# Altium PCB LPC4357_SDRAM_v0.2.PcbDoc (part 2 of 3) (continued)
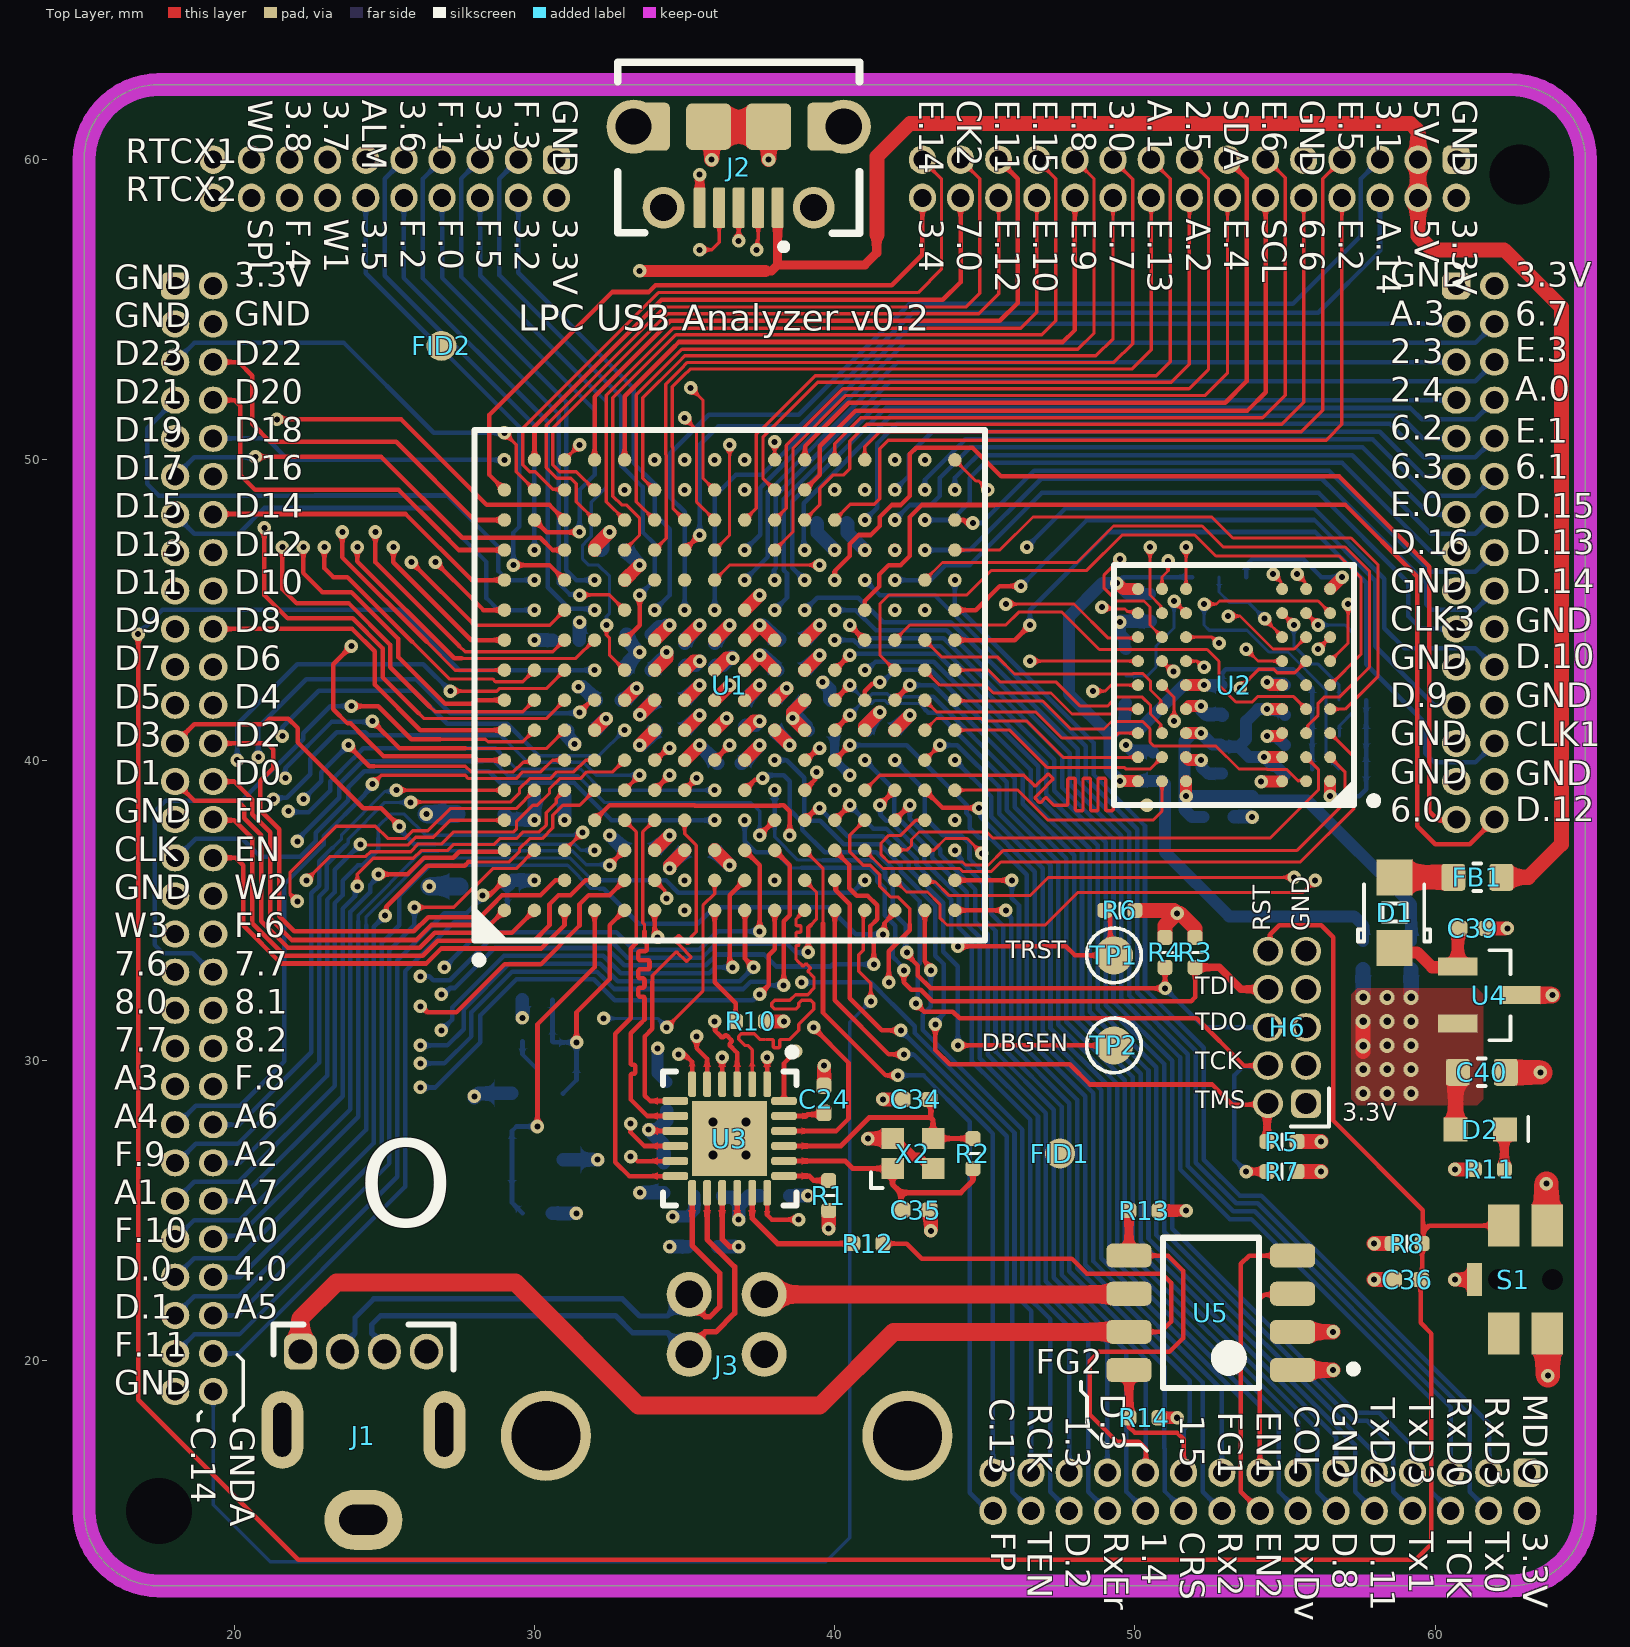
[diagram p0: Top Layer view]
## Nets (pads, with @x,y where several pads share a name; then routed paths per layer and width w, separated by ;. In a path a pad name is that pad's centre, name@x,y a point inside that pad or via, vN(x,y) a via of type N, cw(c..) or ccw(c..) an arc to the next point about the centre after c; other vN are vias at no path point) (continued)
ENET_COL: H5.5 U1.L11 | length 41
  Bottom Layer w0.152: v2(39,45) 39.411,45.411 40.789,45.411 41.611,44.589 43.865,44.589 48.095,40.358 48.095,39.307 49.808,37.593 49.808,32.162 51.762,30.209 51.762,29.991 51.761,29.99 51.761,29.269 51.761,26.484 53.267,24.978 53.984,24.978 60.51,18.451 H5.5@60.51,16.27
ENET_CRS: H5.20 U1.T1 | length 24.2
  Top Layer w0.152: U1.T1@44,35 v1(45.7,35)
  Bottom Layer w0.15: 50.985,19.804 50.985,18.446 50.973,18.434 50.973,17.076 50.985,17.064 50.985,15.66 51.62,15.025 H5.20@51.62,15
  Bottom Layer w0.152: v1(45.7,35) 45.7,34.919 45.876,34.743 45.876,30.515 47.816,28.575 47.816,22.974 50.985,19.804
ENET_MDIO: H5.13 U1.M8 | length 34.6
  Top Layer w0.152: U1.M8@40,42 v1(40.5,42.5)
  Bottom Layer w0.11: v1(40.5,42.5) 40.89,42.11 41.147,42.11 41.247,42.21 41.753,42.21 41.853,42.11 43.19,42.11
  Bottom Layer w0.15: 49.664,23.74 55.43,17.974 H5.13@55.43,16.27
  Bottom Layer w0.152: 43.19,42.11 43.278,42.11 45.997,39.391 45.997,38.438 47.71,36.724 47.71,31.293 49.664,29.34 49.664,23.74
ENET_RX_CLK: H5.27 U1.D4 | length 33.8
  Top Layer w0.152: U1.D4@32,38 32.5,38.5 35.329,38.5 35.341,38.489 38.17,38.489 38.178,38.496 38.304,38.496 38.5,38.3 v1@38.5,37.7
  Int2 (PWR) w0.152: v1(38.5,37.5) 39.2,36.8 39.2,34.4 38.6,33.8 38.6,32.9 v1(38.9,32.6)
  Bottom Layer w0.152: v1(38.9,32.6) 41.194,32.6 41.906,31.889 41.917,31.889 42.663,31.143 42.663,30.915 45.987,27.59 45.987,22.206 46.54,21.654 H5.27@46.54,16.27
ENET_RX_DV: H5.14 U1.M7 | length 35.6
  Top Layer w0.152: U1.M7@40,41 v1(40.5,41.5)
  Bottom Layer w0.11: v1(40.5,41.5) 40.89,41.89 41.238,41.89 41.338,41.99 41.661,41.99 41.761,41.89 42.81,41.89 43,41.7
  Bottom Layer w0.15: 49.402,23.631 54.795,18.238 54.795,15.635 H5.14@55.43,15
  Bottom Layer w0.152: 43,41.7 43.121,41.579 43.417,41.579 45.735,39.261 45.735,38.329 47.448,36.616 47.448,31.185 49.402,29.231 49.402,23.631
ENET_RX_ER: H5.24 U1.N6 | length 28.3
  Bottom Layer w0.15: 48.445,20.855 48.445,15.635 H5.24@49.08,15
  Bottom Layer w0.152: v2(41,40) 41.984,39.016 41.984,38.22 ; 41.984,38.219 41.984,38.194 43.247,36.931 43.247,36.753 44.4,35.6 44.4,34.529 44.83,34.1 44.83,30.079 46.77,28.139 46.77,22.53 48.445,20.855
ENET_RXD0: H5.3 U1.T12 | length 37.5
  Bottom Layer w0.152: v2(44,46) 44,45.195 48.619,40.575 48.619,39.524 50.333,37.81 50.333,32.38 52.286,30.426 52.286,29.774 ; H5.3@61.78,16.27 61.8,16.29 61.8,17.9 54.2,25.5 53.484,25.5 52.285,26.698 52.285,29.773 ; 52.285,29.773 52.286,29.774
ENET_RXD1: H5.30 U1.L3 | length 25.4
  Top Layer w0.11: U1.L3@39,37 39.61,36.39 39.61,34.565
  Top Layer w0.152: 39.61,34.565 39.61,31.59 41.7,29.5 v1(42.1,29.5)
  Bottom Layer w0.15: 42.959,29.5 44.5,27.959 44.5,15.6 45.1,15 H5.30@45.27,15
  Bottom Layer w0.152: v1(42.1,29.5) 42.959,29.5
ENET_RXD2: H5.18 U1.M6 | length 32.7
  Top Layer w0.152: U1.M6@40,40 v1(40.5,40.5)
  Bottom Layer w0.15: 52.255,16.727 52.255,15.635 H5.18@52.89,15
  Bottom Layer w0.152: v1(40.5,40.5) 42.4,40.5 44.389,38.511 44.389,38.23 44.5,38.118 44.5,37.729 44.818,37.411 45.17,37.411 46.4,36.182 46.4,30.751 48.34,28.811 48.34,23.191 52.255,19.276 52.255,16.727
ENET_RXD3: H5.11 U1.N8 | length 35.1
  Top Layer w0.152: U1.N8@41,42 41,42.3 41.243,42.543 41.443,42.543 v1(41.5,42.6)
  Bottom Layer w0.15: 50.188,23.957 56.7,17.445 H5.11@56.7,16.27
  Bottom Layer w0.152: v1(41.5,42.6) 41.6,42.6 42.015,43.015 43.193,43.015 46.521,39.687 46.521,38.655 48.235,36.941 48.235,31.511 50.188,29.557 50.188,23.957
ENET_TX_CLK: H5.6 U1.M11 | length 40.7
  Bottom Layer w0.15: 51.5,30.1 51.5,26.376 53.159,24.717 53.876,24.717 59.875,18.717 59.875,15.635 H5.6@60.51,15
  Bottom Layer w0.152: v2(40,45) 40.7,45 41.373,44.327 42.209,44.327 43.736,44.327 47.833,40.23 47.833,39.198 49.546,37.485 49.546,32.054 51.5,30.1
ENET_TX_EN: H5.28 U1.M2 | length 24.1
  Top Layer w0.152: U1.M2@40,36 40.034,35.966 40.034,35.666 40.5,35.2 40.5,32.066 41.566,31 v1(42.2,31)
  Bottom Layer w0.15: 45.725,24.204 45.726,24.203 45.726,22.098 45.905,21.919 45.905,15.635 H5.28@46.54,15
  Bottom Layer w0.152: v1(42.2,31) 45.725,27.475 45.725,24.204
ENET_TXD0: H5.4 U1.N12 | length 41.1
  Bottom Layer w0.15: 52.023,27.348 52.024,27.347 52.024,26.59 53.376,25.239 54.092,25.239 61.145,18.186 61.145,15.635 H5.4@61.78,15
  Bottom Layer w0.152: v2(41,46) 41.5,45.5 43.324,45.5 48.357,40.467 48.357,39.415 50.071,37.702 50.071,32.271 52.024,30.317 52.024,29.883 52.023,29.882 52.023,27.348
ENET_TXD1: H5.8 U1.M10 | length 39.2
  Bottom Layer w0.15: 50.975,27.725 50.975,24.292 57.268,18 57.738,18 58.605,17.133 58.605,15.635 H5.8@59.24,15
  Bottom Layer w0.152: v2(40,44) 40.629,44 40.827,43.802 43.519,43.802 47.308,40.013 47.308,38.981 49.022,37.267 49.022,31.837 50.975,29.883 50.975,27.725
ENET_TXD2: H5.7 U1.N10 | length 38.7
  Top Layer w0.152: v1(40.5,44.5) U1.N10@41,44
  Bottom Layer w0.15: H5.7@59.24,16.27 59.24,16.911
  Bottom Layer w0.152: v1(40.5,44.5) 40.936,44.064 43.628,44.064 47.571,40.121 47.571,39.089 49.284,37.376 49.284,31.945 51.238,29.991 51.238,24.399 57.376,18.261 58.139,18.261 59.24,17.16 59.24,16.911
ENET_TXD3: H5.9 U1.M9 | length 36.9
  Top Layer w0.152: U1.M9@40,43 v1(40.5,43.5)
  Bottom Layer w0.15: 50.713,24.187 57.97,16.93 H5.9@57.97,16.27
  Bottom Layer w0.152: v1(40.5,43.5) 40.54,43.54 43.41,43.54 47.046,39.904 47.046,38.872 48.759,37.159 48.759,31.728 50.713,29.774 50.713,24.187
GND: C1.2 C2.2 C3.2 C4.2 C5.2 C6.2 C7.2 C8.2 C9.2 C10.2 C11.2 C12.2 C13.2 C14.2 C15.2 C16.2 C17.2 C18.2 C19.2 C20.2 C21.2 C22.2 C23.2 C24.2 C25.2 C26.2 C27.2 C28.2 C29.2 C30.2 C31.2 C32.2 C33.2 C34.2 C35.2 C36.2 C37.2 C38.2 C39.2 C40.2 FB3.1 H1.1 H1.3 H1.4 H1.29 H1.33 H1.59 H2.1 H3.1 H3.9 H4.1 H4.17 H4.20 H4.21 H4.24 H4.25 H4.27 H4.28 H5.1 H6.3 H6.5 H6.9 J1.4 J1.MH J1.MH_1 J1.MH_2 J2.5 J2.MH J2.MH_1 J2.MH_2 J2.MH_3 J2.MH_4 J2.MH_5 J2.MH_6 J2.MH_7 J3.4 J3.SH J3.SH_1 R1.1 R7.1 R10.1 R11.1 R15.3 R16.3 R17.3 R18.3 R19.3 S1.3 S1.4 S1.5 U1.C4 U1.D13 U1.G1 U1.G6 U1.G7 U1.G8 U1.G9 U1.H3 U1.H7 U1.H8 U1.H9 U1.J8 U1.J9 U1.J10 U1.J11 U1.K8 U1.K9 U1.K10 U1.M13 U1.P7 U1.P13 U2.A1 U2.A3 U2.B7 U2.C3 U2.D7 U2.E3 U2.J1 U3.18 U3.25 U4.3 U5.1 X1.2 X1.4 X2.2 X2.4 | length 77.7
  Top Layer w0.15: U3.18@37.75,25.59 37.75,24.85 37.9,24.7 v1(38.8,24.7)
  Top Layer w0.3: J2.5@35.5,58.4 v1(35.5,59.5) ; X2.4@41.925,27.4 42.125,27.2 42.2,27.2 42.34,27.06 42.358,27.06 42.628,26.79 42.8,26.79 42.99,26.6 43.075,26.6 X2.2@43.275,26.4
  Top Layer w0.4: U2.B7@51.7,40.1 51.8,40 v2(52.2,40) ; U2.D7@51.7,41.7 51.8,41.8 v1(52.2,41.8) ; v1(54.2,39.288) 54.209,39.298 54.898,39.298 U2.A3@54.9,39.3 ; v1(54.4,40.8) 54.409,40.809 54.809,40.809 U2.C3@54.9,40.9 ; v1(54.4,42.6) 54.413,42.6 54.513,42.5 U2.E3@54.9,42.5 ; v1(56.5,38.8) U2.A1@56.5,39.3 ; U2.J1@56.5,45.7 v3(56.901,46.1)
  Top Layer w0.45: U1.D13@32,47 32,47.1 v1(32.5,47.6) ; U1.G6@35,40 v1(35.5,40.5) ; U1.G7@35,41 v1(35.5,41.5) ; U1.G8@35,42 v1(35.5,42.5) ; U1.G9@35,43 35.3,43.3 v1(35.5,43.3) ; U1.H3@36,37 U1.H3@36.011,37 ; U1.H3@36,37.011 U1.H3@36.011,37 ; U1.H7@36,41 v1(36.4,41.4) ; U1.H8@36,42 v1(36.5,42.5) ; U1.H9@36,43 36.4,43.4 v1(36.6,43.4) ; v1@36.5,36.511 U1.H3@36.011,37 ; U1.J8@37,42 v1(37.5,42.5) ; U1.J9@37,43 v1(37.5,43.5) U1.K9@38,43 ; U1.J10@37,44 v1(37.5,44.5) U1.K10@38,44 ; U1.J11@37,45 v1(37.5,45.5) ; R10.1@37.7,31.3 v1(38.303,31.3) ; U1.K8@38,42 v1(38.4,42.4) ; C24.2@39.643,29.2 v1(39.643,29.829) ; v1(39.8,24.397) R1.1@39.8,25 ; v1(41.103,27.4) X2.4@41.925,27.4 ; v1(41.6,28.7) C34.2@42.203,28.7 ; U1.P7@42,41 v1(42.5,41.5) ; v1(43.203,24.322) C35.2@43.203,25.019 ; v1(60.65,22.7) S1.5@61.3,22.7 ; v1(60.65,26.373) R11.1@61.3,26.373 ; C39.2@61.75,34.4 v1(62.4,34.4)
  Top Layer w0.5: J2.MH_2@35.8,61.1 35.9,61 v1(35.9,60) ; v1(37.8,60) J2.MH_7@37.8,61.1 ; U5.1@55.25,19.69 v1@56.59,19.69 ; R7.1@55.4,26.3 v1@56.189,26.3 ; v1(57.965,22.7) C36.2@58.565,22.7
  Top Layer w0.55: U4.3@62.85,32.174 v1(63.9,32.174)
  Top Layer w0.8: C40.2@62.35,29.605 v1(63.5,29.605) ; S1.4@63.7,24.5 v1(63.7,25.9) ; v1(63.75,19.5) S1.3@63.75,20.9
  Top Layer w1: J2.MH_2@35.8,61.1 J2.MH_7@37.8,61.1
  Bottom Layer w0.152: R19.3@53.7,46.1 53.7,46.5 53.9,46.7 55.6,46.7 56.2,46.1 v3(56.901,46.1) ; v1(56.5,38.8) 57.466,38.8 57.7,39.034 R16.3@57.7,39.7 R17.3@57.7,40.8 R18.3@57.7,42
  Bottom Layer w0.3: C19.2@40,41 40,40 v1(40.5,39.5)
  Bottom Layer w0.4: v3(49.5,44.6) 49.5,44.2 49.65,44.05 49.65,43.75 R15.3@49.7,43.7 ; v1(49.7,40.5) 49.713,40.5 49.888,40.325 50.55,40.325 50.6,40.275 C32.2@50.6,40.25 ; v2(52.2,40) 52.209,39.99 52.209,39.775 52.434,39.55 C28.2@52.9,39.55 ; v1(54.4,40.8) 54.409,40.79 54.71,40.79 C30.2@55,40.5 ; v1(54.4,42.6) 54.413,42.6 54.463,42.55 54.95,42.55 C29.2@55,42.5
  Bottom Layer w0.45: v1(28,28.8) 28,28.761 28.139,28.9 X1.2@29.25,28.9 ; v1(29.6,31.416) C37.2@29.6,32.019 ; C38.2@30.6,24.911 30.605,24.905 v1(31.395,24.905) ; X1.4@30.95,26.7 v1(32.1,26.7) ; v2(31,38) C22.2@31,38.8 ; C3.2@31.05,41 31.075,41 31.1,40.975 31.1,40.776 v1(31.339,40.537) ; v1(31.458,42.442) 31.608,42.442 32,42.05 32,42.025 32.025,42 C17.2@32.05,42 ; C21.2@31.49,44 31.492,44.002 31.492,44.592 v1(31.5,44.6) ; C2.2@32.21,47 32.23,47 32.265,47.035 32.265,47.277 32.28,47.292 32.28,47.38 v1(32.5,47.6) ; v1@32.511,37.5 C7.2@33.011,37 ; C16.2@33.05,43 33.075,43 33.1,43.025 33.1,43.236 33.464,43.6 33.1,43.964 33.1,44.175 33.075,44.2 C20.2@33.05,44.2 ; v1(33.511,25.6) C26.2@34.3,25.6 ; v1(34.497,23.8) C25.2@35.1,23.8 ; C6.2@35,41 v1(35.5,41.5) ; C5.2@35,42 v1(35.5,42.5) ; C8.2@35,43.11 35,43.13 35.035,43.165 35.365,43.165 v1(35.5,43.3) ; v1(35.5,40.5) 35.554,40.446 35.554,40.436 36.09,39.9 C15.2@36.11,39.9 ; C10.2@36,37 v1(36.5,36.5) ; C9.2@36,43.11 36,43.13 36.035,43.165 36.289,43.165 v1@36.562,43.438 ; C13.2@37,42 v1(37.5,42.5) ; v1(37.5,43.5) 37.61,43.5 38.055,43.055 38.055,43.035 38.09,43 C12.2@38.11,43 ; v1(37.5,44.5) 37.61,44.5 38.055,44.055 38.055,44.035 38.09,44 38.13,44 C11.2@38.165,44.035 ; C14.2@38,42 v1(38.4,42.4) ; C23.2@38.5,25.5 v1(39.103,25.5) ; C4.2@39.4,47.9 39.425,47.875 39.425,47.575 v2(40,47) ; v1(39.6,42.6) 39.835,42.365 39.835,42.035 39.87,42 C18.2@39.89,42 ; C1.2@42,41 v1(42.5,41.5) ; C31.2@53.3,38.119 53.881,38.119 v1(53.9,38.1)
  Bottom Layer w0.452: v3(49.5,44.6) 49.534,44.634 C33.2@50.5,44.634 ; v1(52.2,41.8) 52.2,41.7 52.376,41.524 52.876,41.524 C27.2@52.9,41.5
  Bottom Layer w0.6: v1(26.5,35.8) FB3.1@27.5,35.8
  other v1: 56.6,19.69 56.2,26.3 32.5,37.5 33.5,43.6
  other v2: 35,35 42,47
  other v5: 35.95,26.85 37.05,26.85 35.95,27.95 37.05,27.95
GNDA: FB3.2 H1.58 U1.B2 | length 21.9
  Bottom Layer w0.15: H1.58@19.3,20.24 20.14,20.24 25.69,25.79 25.69,32.97 27.32,34.6 28.6,34.6 29.1,35.1 FB3.2@29.1,35.8
  Bottom Layer w0.152: FB3.2@29.1,35.8 FB3.2@29.1,35.825
  Bottom Layer w0.45: FB3.2@29.1,35.825 29.275,36 v2(30,36)
I2C0_SCL: H3.12 U1.L15 | length 23.7
  Top Layer w0.15: U1.L15@39,49 39.5,49.5 39.5,50.451 40.695,51.646 53.746,51.646 54.35,52.25 H3.12@54.35,58.73
I2C0_SDA: H3.13 U1.L16 | length 23.7
  Top Layer w0.15: H3.13@53.08,60 53.715,59.365 53.715,52.615
  Top Layer w0.152: U1.L16@39,50 39.011,50.011 39.011,50.453 40.465,51.907 53.007,51.907 53.715,52.615
LCD_DCLK: H1.31 U1.H4 | length 20.7
  Bottom Layer w0.15: H1.31@18.03,36.75 18.08,36.75 18.715,37.385 20.27,37.385 20.865,36.79 22.19,36.79
  Bottom Layer w0.152: 22.19,36.79 22.195,36.79 22.713,37.307 22.713,37.582 23.8,38.669 23.8,39.1 24.328,39.628 28.472,39.628 28.854,39.246 31.317,39.246 32.563,38 v2(36,38)
LCD_EN: H1.32 U1.C1 | length 15.4
  Top Layer w0.152: H1.32@19.3,36.75 20.05,36.75 20.3,36.5 20.3,34.5 21.572,33.228 26.391,33.228 26.891,33.728 30.228,33.728 31,34.5 U1.C1@31,35
LCD_FP: H1.30 U1.D2 | length 17.7
  Top Layer w0.152: H1.30@19.3,38.02 19.32,38 20,38 20.6,37.4 20.6,34.571 21.681,33.49 25.914,33.49 26.283,33.49 26.783,33.99 29.99,33.99 30.5,34.5 30.5,35.2 30.8,35.5 31.2,35.5 31.7,36 U1.D2@32,36
LCD_VD0: H1.28 U1.A1 | length 14.3
  Top Layer w0.152: H1.28@19.3,39.29 20,39.29 20.6,38.69 20.6,38.2 21.2,37.6 21.2,34.729 21.917,34.012 26.067,34.012 26.566,34.512 28.512,34.512 U1.A1@29,35
LCD_VD1: H1.27 U1.B1 | length 16.7
  Top Layer w0.15: H1.27@18.03,39.29 18.665,38.655 20.1,38.655 20.339,38.416 20.339,38.061 20.9,37.5 20.9,34.64 21.789,33.751 25.806,33.751 26.175,33.751 26.675,34.251 29.251,34.251 U1.B1@30,35
LCD_VD2: H1.26 U1.C2 | length 18.5
  Top Layer w0.152: H1.26@19.3,40.56 21.1,40.56 21.3,40.36 21.3,39.739 20.872,39.311 20.872,38.328 21.5,37.7 21.5,34.8 22,34.3 25.984,34.3 26.458,34.774 28.193,34.774 28.589,35.17 28.919,35.5 30.2,35.5 30.7,36 U1.C2@31,36
LCD_VD3: H1.25 U1.D3 | length 16.5
  Top Layer w0.15: H1.25@18.03,40.56 18.665,41.195 20.995,41.195 21.18,41.38 21.8,41.38 22.11,41.07 22.11,40.59 24.3,38.4 24.9,38.4 v1(25.5,37.8)
  Bottom Layer w0.11: 26.7,37.2 26.703,37.203 31.345,37.203 31.548,37 v2(32,37)
  Bottom Layer w0.15: v1(25.5,37.8) 25.5,37.742 25.479,37.721 26,37.2 26.7,37.2
LCD_VD4: H1.24 U1.K1 | length 35
  Top Layer w0.152: v1(37.5,32.2) 37.8,32.5 37.8,33.5 38,33.7 U1.K1@38,35
  Int2 (PWR) w0.152: H1.24@19.3,41.83 21.175,41.83 22.039,40.966 22.039,40.261 22.861,39.439 22.861,29.739 23.5,29.1 v1(26.2,29.1)
  Bottom Layer w0.152: v1(26.2,29.1) 26.7,29.1 28.2,30.6 28.2,31.5 29.4,32.7 31.969,32.7 32.669,32 37.262,32 37.462,32.2 v1(37.5,32.2)
LCD_VD5: H1.23 U1.K3 | length 38.5
  Top Layer w0.152: U1.K3@38,37 38.5,36.5 38.5,34.841 38.3,34.641 v1(38.3,32.5)
  Int2 (PWR) w0.15: H1.23@18.03,41.83 18.08,41.83 18.715,42.465 20.935,42.465 22.3,41.1 22.3,40.4 23.151,39.549 23.151,35.407 23.151,30.249 23.5,29.9 v1(26.2,29.9)
  Bottom Layer w0.15: v1(26.2,29.9) 27,29.9 27.9,30.8 27.9,31.6 29.261,32.961 32.078,32.961 32.322,32.717
  Bottom Layer w0.152: 32.322,32.717 32.66,32.379 36.95,32.379 37.198,32.628 37.59,32.628 37.677,32.628 37.805,32.5 v1(38.3,32.5)
LCD_VD6: H1.22 U1.J1 | length 32.9
  Top Layer w0.152: U1.J1@37,35 37.011,34.989 37.011,33.389 v1(37.3,33.1)
  Int2 (PWR) w0.152: H1.22@19.3,43.1 20.8,43.1 22.6,41.3 22.6,40.6 23.412,39.788 23.412,35.515 ; 23.412,35.515 23.412,30.788 23.7,30.5 v1(26.2,30.5)
  Bottom Layer w0.152: v1(26.2,30.5) 27.1,30.5 27.639,31.039 27.639,31.708 29.153,33.222 32.188,33.222 32.769,32.641 36.841,32.641 v1(37.3,33.1)
LCD_VD7: H1.21 U1.J2 | length 34.5
  Top Layer w0.152: v1(36.6,33.1) 36.6,33.181 36.5,33.281 36.5,35.5 U1.J2@37,36
  Int2 (PWR) w0.15: H1.21@18.03,43.1 18.08,43.1 18.715,43.735 20.765,43.735 22.9,41.6 22.9,40.7 23.673,39.927 23.673,35.623 23.673,31.227 23.9,31 v1(26.9,31)
  Bottom Layer w0.15: v1(26.9,31) 27.263,31.363 27.263,31.763
  Bottom Layer w0.152: 27.263,31.763 28.984,33.484 32.296,33.484 32.877,32.903 35.815,32.903 36.012,33.1 v1(36.6,33.1)
LCD_VD8: H1.20 U1.A7 | length 11.7
  Top Layer w0.15: H1.20@19.3,44.37 23.934,44.37 24.68,43.624 24.68,42.52 26.2,41 U1.A7@29,41
LCD_VD9: H1.19 U1.E2 | length 30
  Top Layer w0.15: v1(26.198,31.8) 26.236,31.8 26.436,31.6 27.4,31.6 29.01,33.21 29.966,33.21
  Top Layer w0.152: 29.966,33.21 30.216,33.21 31.5,34.494 31.5,35.2 31.8,35.5 32.5,35.5 U1.E2@33,36
  Int2 (PWR) w0.15: H1.19@18.03,44.37 18.08,44.37 18.715,45.005 20.205,45.005 22.9,42.31 24.69,42.31 27.01,39.99 27.01,34.93 25.2,33.12 25.2,32.2 25.6,31.8 v1@26.1,31.8
LCD_VD10: H1.18 U1.M3 | length 40.3
  Top Layer w0.152: U1.M3@40,37 40.489,36.511 40.489,35.73 40.73,35.489 41.092,35.489 41.411,35.17 41.411,34.701 41.189,34.479 41.189,34.03 41.3,33.919 v1(41.3,33.2)
  Int2 (PWR) w0.152: H1.18@19.3,45.64 20.16,45.64 23.229,42.571 24.929,42.571 27.271,40.229 27.271,34.771 25.7,33.2 25.7,32.5 25.972,32.228 26.872,32.228 v1(26.9,32.2)
  Bottom Layer w0.152: v1(26.9,32.2) 26.981,32.2 27.193,32.412 27.347,32.412 28.681,33.746 32.405,33.746 32.986,33.165 35.706,33.165 36.069,33.528 37.658,33.528 38.058,33.128 39.86,33.128 39.932,33.2 v1(41.3,33.2)
LCD_VD11: H1.17 U1.L2 | length 37.1
  Top Layer w0.11: U1.L2@39,36 39.39,35.61 39.39,34.7 39.195,34.505
  Top Layer w0.152: v1(39.117,33.607) 39.117,34.427 39.195,34.505
  Int2 (PWR) w0.15: H1.17@18.03,45.64 18.08,45.64 18.715,46.275 20.125,46.275 23.49,42.91 24.959,42.91 27.532,40.337 27.532,34.532 26.2,33.2 v1(26.2,32.8)
  Bottom Layer w0.15: v1(26.2,32.8) 26.5,32.8 26.627,32.673 27.177,32.673 28.504,34 28.512,34.008 32.513,34.008
  Bottom Layer w0.152: 32.513,34.008 32.521,34 33.094,33.427 35.598,33.427 36.059,33.889 38.411,33.889 38.711,33.589 39.099,33.589 v1(39.117,33.607)
LCD_VD12: H1.16 U1.J3 | length 33.2
  Top Layer w0.152: U1.J3@37,37 37.5,36.5 v1(37.5,34.3)
  Int2 (PWR) w0.15: H1.16@19.3,46.91 20.186,46.91 23.859,43.237 25,43.237 27.792,40.445 27.792,33.892 v1(27,33.1)
  Bottom Layer w0.15: v1(27,33.1) 28.1,34.2 28.17,34.27 32.622,34.27
  Bottom Layer w0.152: 32.622,34.27 32.73,34.27 33.311,33.689 35.489,33.689 36.1,34.3 v1(37.5,34.3)
LCD_VD13: H1.15 U1.A6 | length 16.4
  Top Layer w0.15: v1(23.9,43.8) 23.3,43.2 23.3,41.696 23.773,41.223 23.877,41.223 24.35,40.75
  Top Layer w0.152: 24.35,40.75 24.971,40.129 27.971,40.129 28.1,40 U1.A6@29,40
  Int2 (PWR) w0.15: H1.15@18.03,46.91 18.665,47.545 20.155,47.545 v1(23.9,43.8)
LCD_VD14: H1.14 U1.A12 | length 10.6
  Top Layer w0.152: H1.14@19.3,48.18 19.32,48.2 25.706,48.2 27.906,46 U1.A12@29,46
LCD_VD15: H1.13 U1.B11 | length 14.7
  Bottom Layer w0.15: H1.13@18.03,48.18 18.665,47.545 20.145,47.545
  Bottom Layer w0.152: 20.145,47.545 21,48.4 26.6,48.4 28.4,46.6 28.4,45.4 28.8,45 v2(30,45)
LCD_VD16: H1.12 U1.C8 | length 17.9
  Top Layer w0.11: 26.139,41.561 26.31,41.39 28.1,41.39 30.407,41.39 30.508,41.492 U1.C8@31,42
  Top Layer w0.15: v1(21,47.741) 21,45.5 21.776,44.724 23.948,44.724 24.94,43.731 24.94,42.76 26.139,41.561
  Int2 (PWR) w0.15: H1.12@19.3,49.45 20.55,49.45 21,49 v1(21,47.741)
LCD_VD17: H1.11 U1.C13 | length 14.5
  Top Layer w0.15: v1(20.7,50.1) 24.9,50.1 27.59,47.41 30.19,47.41 30.6,47 U1.C13@31,47
  Bottom Layer w0.15: H1.11@18.03,49.45 18.665,50.085 v1@20.7,50.085
LCD_VD18: H1.10 U1.A16 | length 10
  Bottom Layer w0.152: H1.10@19.3,50.72 21.08,50.72 21.8,50 v2(29,50)
LCD_VD19: H1.9 U1.C14 | length 14.6
  Top Layer w0.15: v1(21.42,51.355) 25.555,51.355 28.41,48.5 30.5,48.5 U1.C14@31,48
  Int2 (PWR) w0.15: H1.9@18.03,50.72 18.08,50.72 18.715,51.355 v1(21.42,51.355)
LCD_VD20: H1.8 U1.A13 | length 13.1
  Top Layer w0.15: H1.8@19.3,51.99 20.01,51.99 20.2,51.8 20.2,49.5 20.7,49 25.48,49 26.857,47.623
  Top Layer w0.152: 26.857,47.623 27.48,47 U1.A13@29,47
LCD_VD21: H1.7 U1.B12 | length 17.9
  Bottom Layer w0.15: H1.7@18.03,51.99 17.1,51.06 17.1,49.2 17.485,48.815 22.685,48.815
  Bottom Layer w0.152: 22.685,48.815 27.085,48.815 28.8,47.1 28.8,46.3 29.1,46 v2(30,46)
LCD_VD22: H1.6 U1.A14 | length 12.8
  Top Layer w0.15: H1.6@19.3,53.26 20.14,53.26 20.6,52.8 20.6,51.2 21.2,50.6 22.1,50.6
  Top Layer w0.152: 22.1,50.6 25.4,50.6 28,48 U1.A14@29,48
LCD_VD23: H1.5 U1.B15 | length 14.8
  Top Layer w0.11: v1(29,50.9) 29.39,50.51 29.39,49.61 U1.B15@30,49
  Bottom Layer w0.15: H1.5@18.03,53.26 18.665,53.895 23.655,53.895 26.475,51.075
  Bottom Layer w0.152: 26.475,51.075 26.65,50.9 v1(29,50.9)
NetC24_1: C24.1 U3.23 | length 1.3
  Top Layer w0.178: U3.23@38.31,28.15 39.05,28.15 39.1,28.2 C24.1@39.543,28.2
NetC25_1: C25.1 U3.15 | length 2.9
  Top Layer w0.178: U3.15@36.25,25.59 36.25,24.05 36.5,23.8 v1(36.8,23.8)
  Bottom Layer w0.45: C25.1@36.1,23.8 v1(36.8,23.8)
NetC39_1: C39.1 D1.2 U4.1 | length 3.7
  Top Layer w0.4: D1.2@58.644,33.75 58.794,33.6 59.4,33.6 59.9,33.1 60.726,33.1 U4.1@60.75,33.124 C39.1@60.75,34.4
NetD1_1: D1.1 FB1.2 | length 2
  Top Layer w0.8: D1.1@58.644,36.1 FB1.2@60.6,36.1
NetD2_2: D2.2 R11.2 | length 1.3
  Top Layer w0.3: R11.2@62.3,26.373 62.3,27.675 D2.2@62.325,27.7
NetR1_2: R1.2 U3.19 | length 1.6
  Top Layer w0.178: U3.19@38.31,26.15 39.15,26.15 39.3,26 R1.2@39.8,26
NetR10_2: R10.2 U1.H1 | length 4
  Top Layer w0.152: U1.H1@36,35 36,32.6 36.7,31.9 R10.2@36.7,31.3
P1_3: H5.25 U1.P5 | length 25.6
  Top Layer w0.152: v1(41.5,38.5) U1.P5@42,39
  Bottom Layer w0.15: 45.371,29.169 46.509,28.031 46.509,22.422 47.81,21.121 H5.25@47.81,16.27
  Bottom Layer w0.152: v1(41.5,38.5) 41.518,38.482 41.518,38.182 41.715,37.985 41.822,37.985 42.985,36.822 42.985,36.622 44.138,35.47 44.138,34.421 44.568,33.991 44.568,29.97 45.37,29.168
P1_4: H5.22 U1.T3 | length 24.6
  Bottom Layer w0.15: 49.715,16.584 49.715,15.635 H5.22@50.35,15
  Bottom Layer w0.152: v2(44,37) 44,36.919 44.227,36.692 44.227,36.603 44.948,35.881 44.948,34.723 45.354,34.317 45.354,30.296 47.294,28.356 47.294,22.758 49.715,20.336 49.715,16.584
P1_5: H5.17 U1.R5 | length 27.5
  Top Layer w0.152: U1.R5@43,39 43.589,38.411 v1@44.8,38.411
  Bottom Layer w0.15: 48.616,23.305 52.89,19.031 H5.17@52.89,16.27
  Bottom Layer w0.152: v1(44.8,38.4) 44.857,38.343 44.857,38.095 46.662,36.29 46.662,30.859 48.616,28.905 48.616,23.305
P2_3: H4.5 U1.J12 | length 28
  Bottom Layer w0.15: 41.028,52.186 42.102,53.26 H4.5@60.7,53.26
  Bottom Layer w0.152: v2(37,46) 37.776,46.776 37.776,48.934 41.028,52.186
P2_4: H4.7 U1.K11 | length 27.7
  Bottom Layer w0.15: 41,51.4 41.59,51.99 H4.7@60.7,51.99
  Bottom Layer w0.152: v2(38,45) 38.411,45.411 38.411,46.218 38.3,46.329 38.3,48.7 41,51.4
P2_5: H3.15 U1.K14 | length 25
  Top Layer w0.11: U1.K14@38,48 38.39,48.39 38.39,50.484 40.274,52.368 51.801,52.368 52.445,53.012 52.445,59.365 H3.15@51.81,60
P3_0: H3.19 U1.F13 | length 28.2
  Top Layer w0.11: U1.F13@34,47 34.39,47.39 34.39,50.162 34.373,50.179 34.373,52.527 34.871,53.025 35.094,53.248 49.3,53.248 49.925,53.873 49.925,59.345 H3.19@49.27,60
P3_1: H3.5 U1.G11 | length 34.2
  Bottom Layer w0.15: 55.26,55.2 57.525,57.465 57.525,59.365 H3.5@58.16,60
  Bottom Layer w0.152: v2(35,45) 35,48.269 34.521,48.748 34.521,50.221 35.8,51.5 38.8,51.5 42.5,55.2 55.26,55.2
P3_2: H2.4 U1.F11 | length 16
  Bottom Layer w0.15: H2.4@29.46,58.73 29.46,56.23 33.3,52.39 33.3,49.9 34,49.2 34,48.2 34.5,47.7 34.5,45.5
  Bottom Layer w0.152: v2(34,45) 34.5,45.5
P3_3: H2.5 U1.B14 | length 16.4
  Top Layer w0.15: U1.B14@30,48 30.41,47.59 31.475,47.59 v1(31.493,47.607)
  Bottom Layer w0.15: H2.5@28.19,60 27.555,59.365 27.555,56.109 32,51.664 32,49.5 31.5,49 31.5,47.615 v1(31.493,47.607)
P3_4: H3.30 U1.A15 | length 21.2
  Top Layer w0.152: U1.A15@29,49 28.5,49.5 28.5,51.5 32.593,55.593 33.807,55.593 34.03,55.816 41.9,55.816 42.92,56.836 H3.30@42.92,58.73
P3_5: H2.12 U1.C12 | length 16.3
  Top Layer w0.152: v1(29.3,46.5) 30.5,46.5 U1.C12@31,46
  Bottom Layer w0.15: H2.12@24.38,58.73 24.38,56.22 29.5,51.1 29.5,47.781 29.3,47.581 v1(29.3,46.5)
P3_6: H2.9 U1.B13 | length 15.3
  Bottom Layer w0.15: H2.9@25.65,60 25.015,59.365 25.015,56.135 30,51.15 v2(30,47)
P3_7: H2.13 U1.C11 | length 20.7
  Top Layer w0.11: 27.95,44.55 28.008,44.492 30.508,44.492 U1.C11@31,45
  Top Layer w0.15: v1(25.9,46.6) 27.95,44.55
  Int2 (PWR) w0.15: H2.13@23.11,60 23.745,59.365 23.745,57.855 24.94,56.66 24.94,49.392 25.9,48.432 v1(25.9,46.6)
P3_8: H2.15 U1.C10 | length 22.3
  Top Layer w0.11: 27.5,43.8 27.69,43.61 28.1,43.61 30.61,43.61 U1.C10@31,44
  Top Layer w0.15: v1(24.7,47.6) 24.7,46.6 27.5,43.8
  Int2 (PWR) w0.15: H2.15@21.84,60 22.475,59.365 22.475,57.825 24.42,55.88 24.42,47.88 v1(24.7,47.6)
P4_0: H1.54 U1.D5 | length 24.1
  Top Layer w0.11: 27.962,36.61 29.162,36.61 29.5,36.948 29.5,37.052 29.838,37.39 30.253,37.39 30.61,37.747 30.61,38.162 30.948,38.5 31.5,38.5 U1.D5@32,39
  Top Layer w0.15: v1(25.025,34.825) 25.063,34.863 25.063,35.123 26.43,36.49 27.68,36.49 27.8,36.61 27.962,36.61
  Bottom Layer w0.15: H1.54@19.3,22.78 20.18,22.78 24.65,27.25 24.65,34.45 v1(25.025,34.825)
P6_0: H4.29 U1.M12 | length 33.9
  Top Layer w0.15: 44.589,50.411 45.55,49.45 56.8,49.45 59.8,46.45 59.8,38.3 60.1,38 60.68,38 H4.29@60.7,38.02
  Top Layer w0.152: v2(40,46) 40,46.3 40.5,46.8 40.5,47.2 40.8,47.5 41.2,47.5 41.5,47.8 41.5,48.1 41.9,48.5 42.2,48.5 42.5,48.8 42.5,50.2 42.711,50.411 44.589,50.411
P6_1: H4.12 U1.R15 | length 20.9
  Bottom Layer w0.15: 44.035,50.365 44.353,50.683 57.917,50.683 59.785,48.815 61.335,48.815 H4.12@61.97,49.45
  Bottom Layer w0.152: v2(43,49) 43.003,49.003 43.003,49.333 44.035,50.365
P6_2: H4.9 U1.L13 | length 24.8
  Bottom Layer w0.152: v2(39,47) 38.964,47.036 38.964,48.564 41.866,51.466 58.834,51.466 59.58,50.72 60.66,50.72 60.68,50.7 H4.9@60.7,50.72
P6_3: H4.11 U1.P15 | length 20.5
  Bottom Layer w0.15: 59.65,49.45 H4.11@60.7,49.45
  Bottom Layer w0.152: v2(42,49) 42.474,49.474 42.474,50.174 43.244,50.944 58.156,50.944 59.65,49.45
P6_6: H3.10 U1.L14 | length 25.9
  Top Layer w0.11: U1.L14@39,48 39.5,48.5 39.5,49.052 39.948,49.5 40.3,49.5 40.5,49.7 40.5,50.618 41.067,51.186 54.886,51.186 55.62,51.92 H3.10@55.62,58.73
P6_7: H4.4 U1.J13 | length 29
  Bottom Layer w0.15: 40.721,52.279 42.337,53.895 61.335,53.895 H4.4@61.97,54.53
  Bottom Layer w0.152: v2(37,47) 37.514,47.514 37.514,49.072 40.721,52.279
P7_0: H3.28 U1.B16 | length 20.1
  Top Layer w0.152: U1.B16@30,50 30,51.104 34.007,55.111 34.23,55.334 43.6,55.334 44.19,55.924 H3.28@44.19,58.73
P7_6: H1.37 U1.C7 | length 20
  Top Layer w0.11: 27.7,40.39 30.407,40.39 30.508,40.492 U1.C7@31,41
  Top Layer w0.15: v1(24.6,41.3) 25.51,40.39 27.7,40.39
  Int2 (PWR) w0.15: H1.37@18.03,32.94 18.665,33.575 20.2,33.575 20.633,34.008 20.633,36.032 20.873,36.272 20.873,38.877 21.123,39.127 21.346,39.127 21.619,39.4 v1(21.7,39.4)
  Bottom Layer w0.15: v1(21.7,39.4) 21.702,39.402 21.702,39.734 23.241,41.273 24.573,41.273 v1(24.6,41.3)